# Altium PCB P22296-1-DES-1.2.PcbDoc (part 4 of 5) (continued)
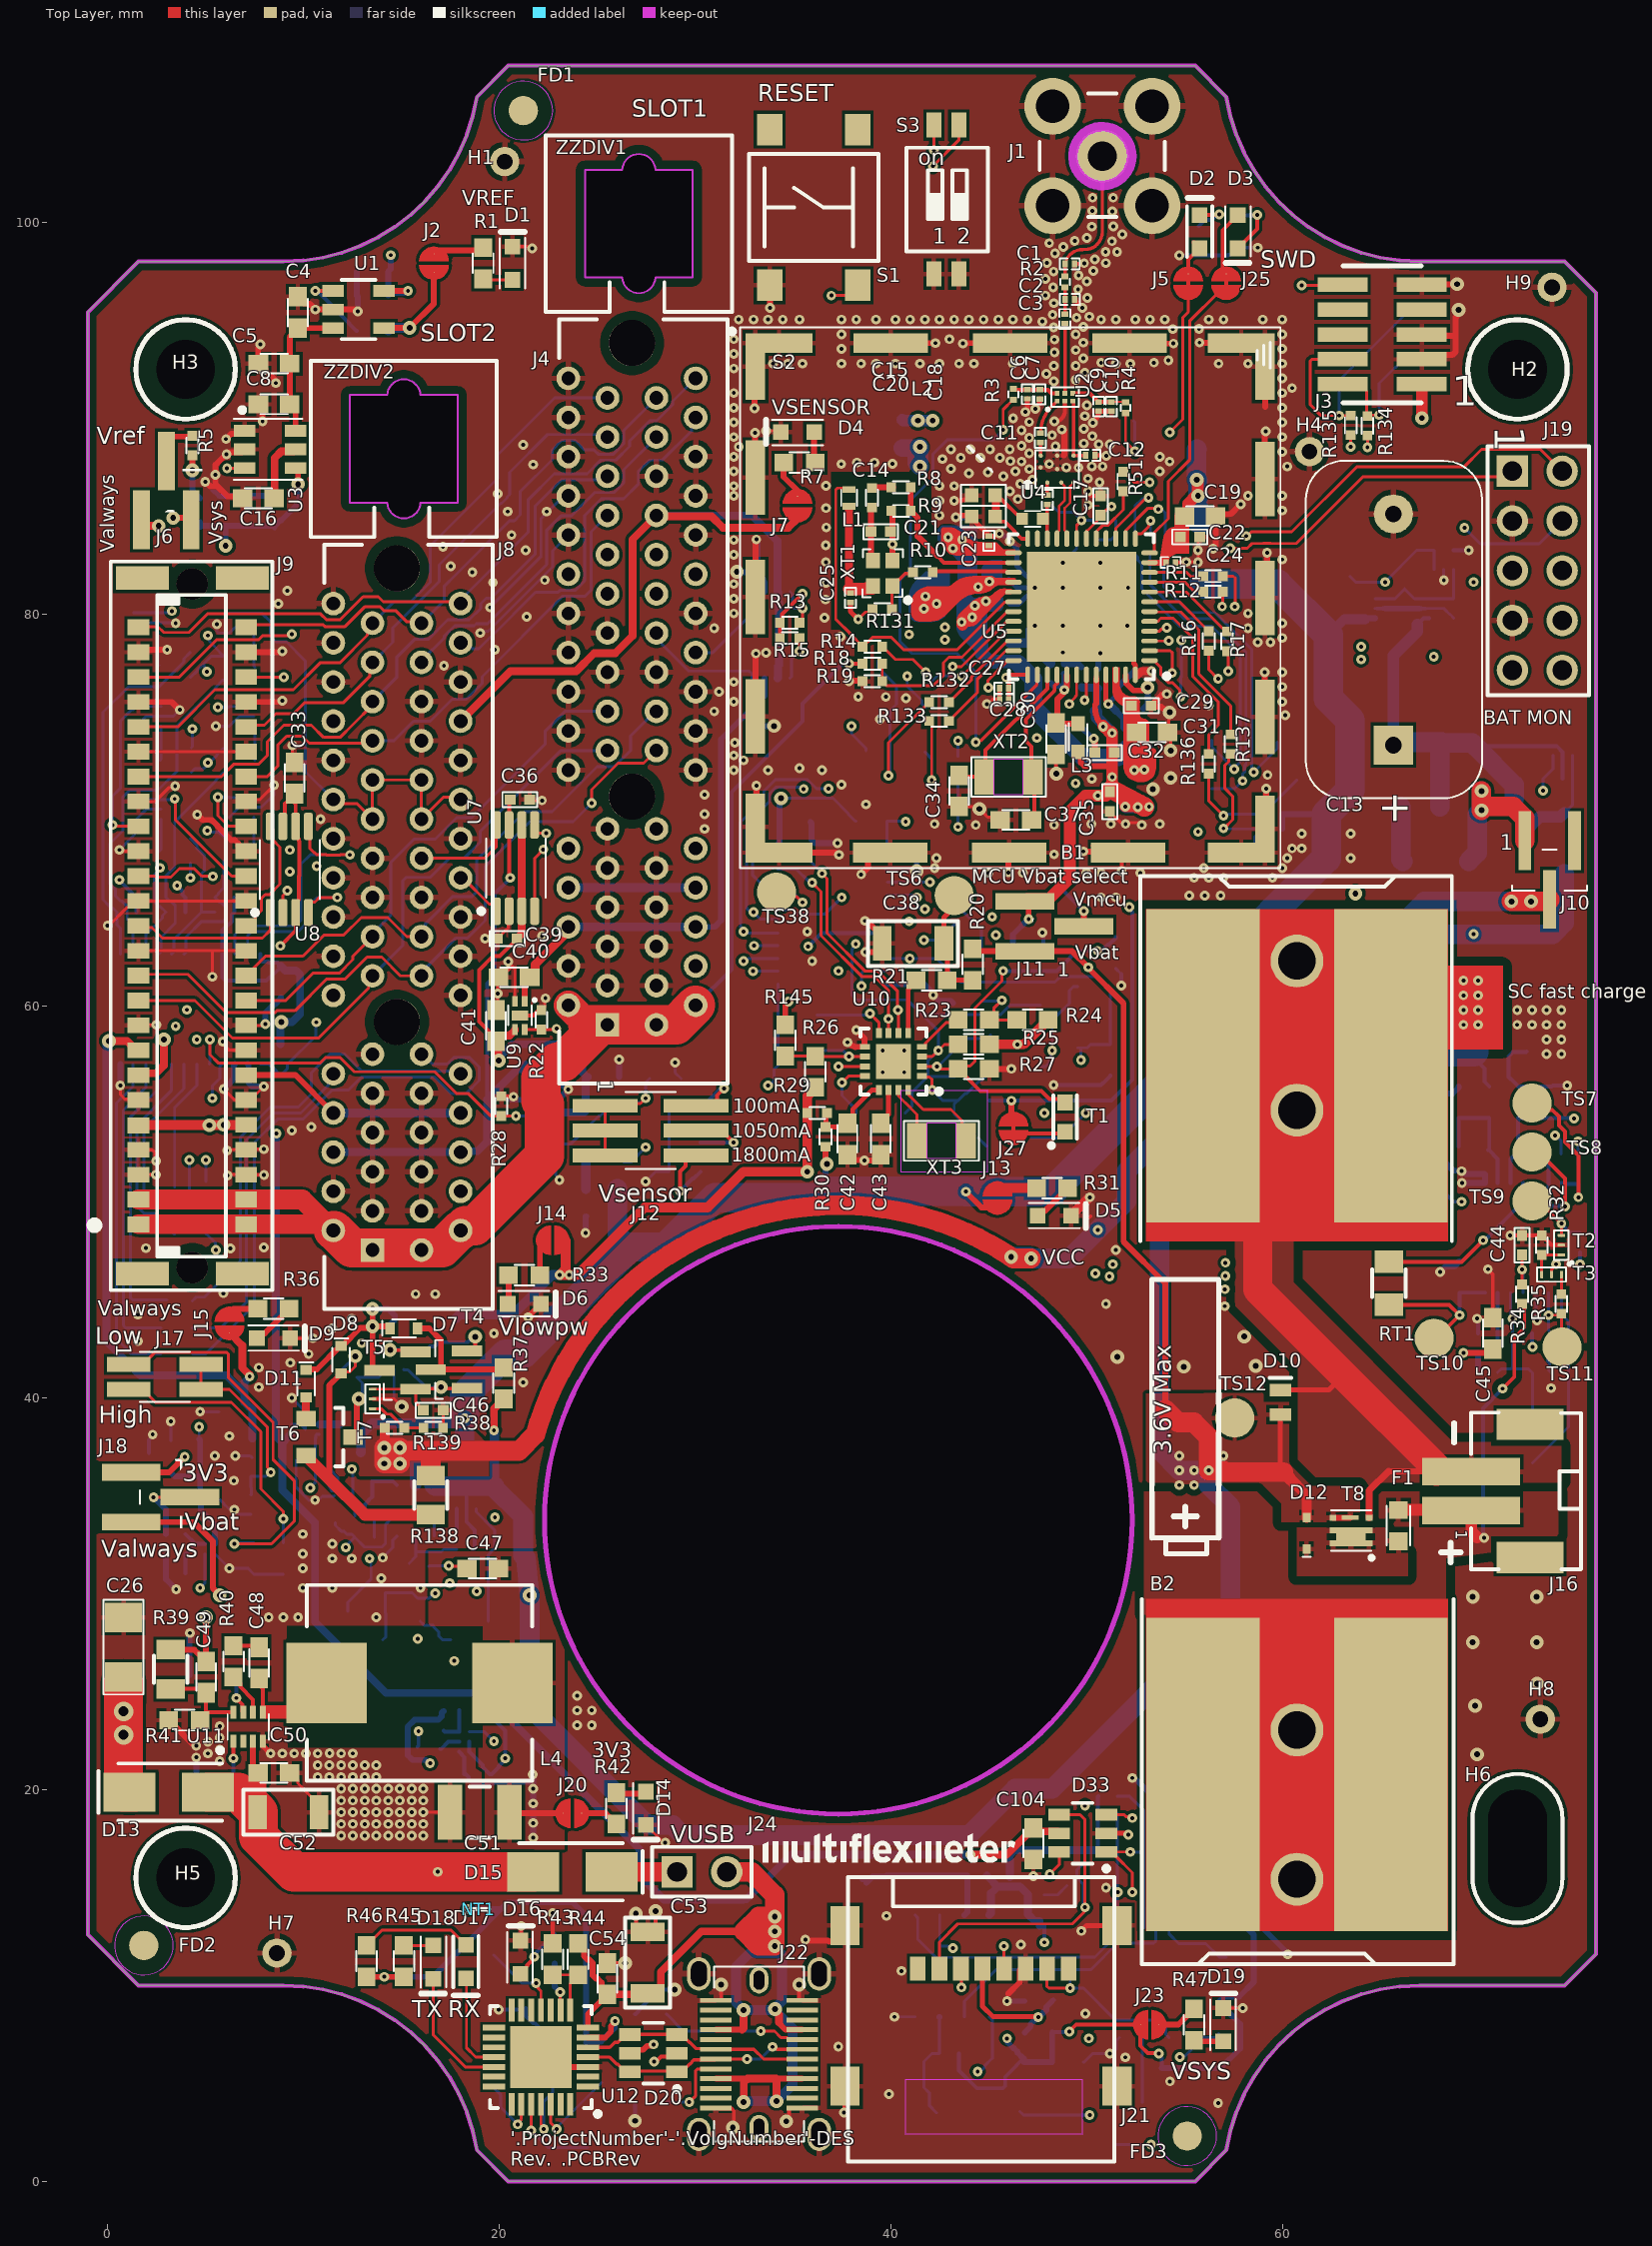
[diagram p0: Top Layer view]
## Nets (pads, with @x,y where several pads share a name; then routed paths per layer and width w, separated by ;. In a path a pad name is that pad's centre, name@x,y a point inside that pad or via, vN(x,y) a via of type N, cw(c..) or ccw(c..) an arc to the next point about the centre after c; other vN are vias at no path point) (continued)
  Bottom Layer w0.2: T18.D@17.838,34.341 17.838,33.274 R140.2@17.85,33.262
NetR141_2: R141.2 T19.D | length 1.1
  Bottom Layer w0.15: R141.2@13.629,32.885 13.638,32.893 T19.D@13.638,33.941
NetR142_1: R142.1 R143.2 U25.C1 | length 1.9
  Bottom Layer w0.2: R142.1@17.167,23.006 17.231,22.942 U25.C1@17.973,22.942 17.973,24.032 R143.2@17.965,24.041
NetR147_1: R147.1 U15.6 | length 6.7
  Bottom Layer w0.15: R147.1@3.438,50.761 3.438,54.812 4.563,55.937 U15.6@4.563,57.041
NetR148_1: R148.1 U15.7 | length 9.7
  Bottom Layer w0.15: R148.1@3.438,49.716 1.985,49.716 1.868,49.833 1.868,53.747 3.787,55.665 3.795,55.665 3.913,55.782 U15.7@3.913,57.041
NetR149_1: R149.1 U15.8 | length 10.5
  Bottom Layer w0.15: U15.8@3.263,57.041 3.263,55.675 1.518,53.931 1.518,49.759 1.861,49.416 2.384,49.416 3.038,48.762 3.038,48.737 3.413,48.362 R149.1@3.438,48.362
NetR150_1: R150.1 U15.9 | length 14.4
  Bottom Layer w0.15: U15.9@2.613,57.041 2.613,55.765 1.168,54.321 1.168,45.108 1.285,44.991 R150.1@3.038,44.991
NetR151_1: R151.1 U15.10 | length 15.8
  Bottom Layer w0.15: U15.10@1.963,57.041 1.963,55.841 0.818,54.697 0.818,43.683 0.935,43.566 R151.1@2.738,43.566
NetR152_1: R152.1 U15.11 | length 17
  Bottom Layer w0.15: U15.11@1.313,57.041 1.313,55.886 0.867,55.44 0.863,55.44 0.468,55.045 0.468,43.01 1.247,42.231 R152.1@2.738,42.231
NetRT1_2: RT1.2 U18.11 | length 9.1
  Top Layer w0.2: RT1.2@65.438,46.941 69.138,46.941 v1(70.238,48.041)
  Bottom Layer w0.2: v1(70.238,48.041) 70.321,48.041 72.288,50.007 U18.11@72.288,50.966
NetTS32_1: TS32.1 U10.12 | length 3.2
  Top Layer w0.15: v1(37.513,56.091) 37.838,56.416 U10.12@38.688,56.416
  Bottom Layer w0.15: v1(37.513,56.091) 37.513,55.424 38.238,54.699 TS32.1@38.238,54.541
NetTS36_1: TS36.1 U18.1 | length 9.6
  Bottom Layer w0.15: TS36.1@72.763,36.676 74.603,38.517 74.603,43.9 74.238,44.266 U18.1@74.238,45.366
NetTS41_1: TS41.1 U12.11 | length 4.2
  Top Layer w0.15: v1(21.888,10.113) 21.954,10.046 21.954,9.899 22.138,9.716 U12.11@22.138,8.741
  Bottom Layer w0.15: TS41.1@19.738,11.541 21.166,10.113 v1(21.888,10.113)
NetU10_15: U10.15 XT3.2 | length 3
  Top Layer w0.15: U10.15@40.388,55.716 40.388,55.4 40.722,55.066 40.732,55.066 41.338,54.461 XT3.2@41.338,53.116
NetU10_16: U10.16 XT3.1 | length 4.6
  Top Layer w0.15: U10.16@40.888,55.716 40.888,55.487 41.659,54.716 43.067,54.716 43.63,54.153 43.63,53.324 XT3.1@43.838,53.116
OSC_IN_4: R8.2 R9.2 U5.26 | length 8.2
  Top Layer w0.2: 42.381,82.974 42.723,82.632 U5.26@46.338,82.632
  Top Layer w0.3: R8.2@41.02,86.474 R9.2@41.02,85.274 41.37,84.924 41.37,83.985 42.381,82.974
OSC_OUT_4: R10.2 U5.27 | length 3.9
  Top Layer w0.2: R10.2@42.138,82.141 42.184,82.188 43.707,82.188 43.713,82.194 45.889,82.194 45.941,82.143 46.007,82.143 U5.27@46.013,82.148
pack+_8: B2.1 F1.2 J16.1 R34.1 | length 33.4
  Top Layer w0.15: 72.188,43.391 72.363,43.566 72.363,44.666 R34.1@72.238,44.791
  Top Layer w0.2: v1(71.238,40.466) 71.838,41.066 71.838,43.041 72.188,43.391
  Top Layer w0.6: F1.2@65.925,34.275 69.604,34.275 J16.1@69.638,34.241 69.638,33.168 69.938,32.868
  Top Layer w2: B2.1@60.737,15.421 B2.1@60.738,23.041
  Layer 2 w2: B2.1@60.737,15.421 60.737,15.652 B2.1@60.738,23.041
  Bottom Layer w0.2: v1(70.288,32.857) 70.238,32.907 70.238,39.466 v1(71.238,40.466)
pack-_8: B1.1 D10.A J16.2 R82.2 R87.1 T8.G | length 61.3
  Top Layer w0.254: D10.A@59.815,40.319 D10.A@59.888,40.391 62.363,40.391 63.125,41.153
  Top Layer w0.3: 65.413,36.241 J16.2@69.638,36.241
  Top Layer w0.35: T8.G@64.434,33.874 64.434,35.262 65.413,36.241
  Top Layer w1.5: B1.1@60.737,62.301 B1.1@60.737,54.681 58.738,52.681 58.738,45.541 63.125,41.153 67.863,36.416 J16.2@67.863,36.266
  Layer 2 w1.5: B1.1@60.737,54.681 B1.1@60.737,62.301
  Bottom Layer w0.2: R82.2@69.763,57.666 69.763,57.366 70.313,56.816 70.313,56.131 R87.1@70.563,55.881
  Bottom Layer w1.5: B1.1@60.737,54.681 63.722,57.666 R82.2@69.763,57.666
  other v1: 69.238,59.041 69.988,59.041 69.238,59.791 69.988,59.791 69.238,60.541 69.988,60.541 69.238,61.291 69.988,61.291
PSW_10: R23.1 U10.4 | length 2.5
  Top Layer w0.15: U10.4@41.588,57.916 41.698,57.916 41.773,57.991 41.773,58.101 42.825,59.154 43.3,59.154 R23.1@43.438,59.291
REG25: C86.2 R97.2 RT1.1 T3.S TS10.1 U18.7 | length 20
  Top Layer w0.15: T3.S@73.738,46.291 73.738,46.541 73.988,46.791 73.969,46.809 v1(73.969,46.82)
  Top Layer w0.2: RT1.1@65.438,44.741 68.513,44.741 v1(69.038,44.216) 67.863,43.041 TS10.1@67.738,43.041
  Layer 2 w0.2: v1(69.038,44.216) 71.913,47.091 73.699,47.091 v1(73.969,46.82)
  Layer 3 w0.2: v1(69.038,44.216) 70.663,42.591 v1(72.763,42.591)
  Bottom Layer w0.2: v1(69.038,44.216) C86.2@69.038,45.366 U18.7@70.338,45.366 ; R97.2@72.738,43.291 72.738,42.616 v1(72.763,42.591)
RFI_5_N: U4.A2 U5.21 | length 3.1
  Top Layer w0.125: U5.21@48.489,83.858 48.489,84.181 48.601,84.294 48.601,85.53 48.881,85.81 48.881,86.539 U4.A2@48.704,86.717
RFI_5_P: U4.A3 U5.20 | length 3.1
  Top Layer w0.125: U5.20@48.989,83.858 48.989,84.181 48.876,84.294 48.876,85.416 49.156,85.696 49.156,86.539 U4.A3@49.334,86.717
RSVD.0_11: J4.A13 J8.A13 J9.A10 | length 33.3
  Top Layer w0.15: J9.A10@1.588,60.281 4.469,60.281 6.384,58.366 10.788,58.366 13.335,60.914 13.335,61.339 J8.A13@13.538,61.541
  Bottom Layer w0.15: J8.A13@13.538,61.541 15.076,63.079 15.076,66.379 15.263,66.566 16.488,66.566 17.463,67.541 18.21,67.541 19.038,68.369 19.038,68.916 23.163,73.041 J4.A13@25.538,73.041
RSVD.1_11: J4.A15 J8.A15 J9.B10 | length 26.7
  Top Layer w0.15: J9.B10@7.088,60.281 9.103,60.281 10.492,61.67 11.839,61.67 12.536,62.368 12.536,62.54 J8.A15@13.538,63.541
  Bottom Layer w0.15: J8.A15@13.538,63.541 13.538,63.695 14.463,64.62 14.463,67.316 15.663,68.516 16.738,68.516 17.838,69.616 18.588,69.616 22.363,73.391 22.363,74.038 23.365,75.041 J4.A15@25.538,75.041
RSVD.2_11: J4.B13 J8.B13 J9.A11 | length 35.7
  Top Layer w0.15: J9.A11@1.588,61.551 1.653,61.616 4.113,61.616 6.073,59.656 8.549,59.656 8.649,59.756 9.58,59.756 11.194,61.37 12.142,61.37 13.263,62.491 14.013,62.491 14.963,61.541 J8.B13@16.038,61.541 ; v1(24.733,70.362) 24.733,71.041 26.083,72.391 27.388,72.391 J4.B13@28.038,73.041
  Bottom Layer w0.15: J8.B13@16.038,61.541 16.038,61.713 17.78,63.456 18.378,63.456 19.288,64.366 19.288,67.13 21.574,69.416 23.788,69.416 v1(24.733,70.362)
RSVD.3_11: J4.B15 J8.B15 J9.B11 | length 29
  Top Layer w0.15: J9.B11@7.088,61.551 8.079,62.543 9.989,62.543 11.063,63.616 12.063,63.616 12.963,64.516 14.313,64.516 15.288,63.541 J8.B15@16.038,63.541
  Bottom Layer w0.15: J8.B15@16.038,63.541 16.24,63.743 16.24,64.193 17.638,65.591 18.619,65.591 18.867,65.838 18.867,67.47 21.313,69.916 22.714,69.916 25.01,72.212 25.881,72.212 26.713,73.044 26.713,73.791 27.963,75.041 J4.B15@28.038,75.041
RTC_CLOCKOUT_10: TS29.1 U10.8 | length 3.9
  Top Layer w0.15: v1(38.938,59.614) 39.388,59.164 U10.8@39.388,58.616
  Bottom Layer w0.15: TS29.1@36.238,59.541 38.77,59.541 38.843,59.614 v1(38.938,59.614)
RTC_EXT_I\R\Q\: D21.A2 D22.A2 D23.A2 D24.A2 D25.A2 D26.A2 D28.A D30.A R26.1 R145.1 T22.D TS23.1 U10.10 | length 96.4
  Top Layer w0.15: R145.1@34.613,57.442 36.136,57.442 R26.1@36.138,57.441 36.163,57.416 v1(37.87,57.416) U10.10@38.688,57.416
  Layer 2 w0.15: v1(4.238,66.541) 4.238,68.091 v1(5.099,68.953) 5.137,68.99 v1(5.137,72.421) 5.082,72.476 5.082,74.074 5.062,74.094 5.062,74.488 5.082,74.508 v1(5.082,77.068) ; v1(37.87,57.416) 38.713,58.258 38.713,58.963 37.988,59.688 37.988,61.813 37.738,62.063 37.738,64.686 37.988,64.936 v1(37.988,74.291)
  Layer 3 w0.15: v1(5.138,78.916) 6.413,77.641 12.465,77.641 13.194,78.37 16.909,78.37 17.567,77.712 22.694,77.712 23.194,77.212 23.881,77.212 24.539,77.87 28.381,77.87 29.21,77.041 32.238,77.041 34.988,74.291 v1(37.988,74.291) ; v1(37.87,57.416) 39.068,58.614 47.35,58.614 v1(48.238,57.727)
  Bottom Layer w0.15: v1(4.238,66.541) D25.A2@4.238,67.291 ; D21.A2@4.238,76.791 4.27,76.791 4.585,77.106 4.585,77.139 4.943,77.496 ; D23.A2@4.288,71.941 4.463,72.117 4.913,72.117 v1@5.137,72.34 ; v1(5.082,77.068) 5.082,77.163 4.943,77.302 4.943,77.496 ; v1(5.137,72.421) v1@5.137,72.34 ; v1(5.138,78.916) 5.205,78.849 5.205,78.624 5.537,78.292 5.537,78.259 D22.A2@5.905,77.891 ; v1@5.28,68.866 5.712,68.866 D26.A2@5.938,68.641 ; D24.A2@5.938,73.141 5.905,73.141 5.59,72.826 5.59,72.793 v1@5.137,72.34 ; D22.A2@5.938,77.891 5.9,77.854 5.3,77.854 4.943,77.496 ; D30.A@35.938,57.716 37.57,57.716 v1(37.87,57.416) ; v1(37.988,74.291) 37.988,73.899 38.738,73.149 TS23.1@38.738,73.041 ; T22.D@47.688,56.916 47.9,56.916 48.1,57.116 48.1,57.328 48.182,57.41 48.182,57.671 v1(48.238,57.727) 48.238,59.265 49.128,60.155 49.128,60.791 49.328,60.991 D28.A@49.54,60.991
SC_EN: R153.2 T21.G TS19.1 U14.19 | length 53.5
  Layer 2 w0.15: v2(63.722,65.741) 63.722,65.864 63.963,66.104 63.963,75.841 65.238,77.116 v1(65.238,81.641)
  Layer 3 w0.15: v1(37.497,65.541) 37.972,66.016 41.633,66.016 41.801,65.849 50.374,65.849 50.541,66.016 53.163,66.016 54.013,65.166 63.214,65.166 63.722,65.674 v2(63.722,65.741)
  Bottom Layer w0.15: U14.19@34.238,65.024 34.363,64.899 34.993,64.899 35.193,64.699 36.655,64.699 v1(37.497,65.541) ; TS19.1@63.445,81.934 63.738,81.641 v1(65.238,81.641) 66.855,83.258 R153.2@67.738,83.258 T21.G@67.738,82.283
SCL_12: J4.B19 U13.8 | length 6.1
  Bottom Layer w0.15: J4.B19@28.038,79.041 28.038,78.755 28.324,78.469 28.324,78.455 29.675,77.103 32.765,77.103 32.913,76.956 U13.8@32.913,76.741
SCL_13: J8.B19 U7.8 | length 5.2
  Top Layer w0.15: J8.B19@16.038,67.541 19.263,67.541 19.863,68.141 U7.8@19.863,69.241
SDA_12: J4.B18 U13.1 | length 4.8
  Bottom Layer w0.15: J4.B18@30.038,78.041 30.913,78.041 32.913,80.041 U13.1@32.913,81.141
SDA_13: J8.B18 U7.1 | length 2.7
  Top Layer w0.15: J8.B18@18.038,66.541 18.163,66.541 19.5,65.203 19.715,65.203 19.863,65.056 U7.1@19.863,64.841
SENSOR_INTx: R83.1 U14.11 U15.1 | length 36.8
  Layer 3 w0.15: v1(10.663,59.165) 12.334,59.165 14.06,60.891 15.515,60.891 15.694,60.712 17.036,60.712 17.694,61.37 19.88,61.37 20.38,60.87 24.536,60.87 25.194,60.212 29.036,60.212 29.694,60.87 30.867,60.87 31.295,61.299 38.243,61.299 38.505,61.036 v1(38.505,61.017)
  Bottom Layer w0.15: U15.1@7.813,57.041 8.238,57.041 8.438,56.841 8.463,56.841 8.838,56.466 R83.1@8.838,56.441 9.197,56.8 9.197,57.025 10.638,58.466 10.638,59.14 v1(10.663,59.165) ; v1(38.505,61.017) 38.511,61.023 38.511,61.686 38.599,61.774 U14.11@39.838,61.774
SHARED_GPIO.GPIO1_11: J4.A25 J8.A25 J9.B19 | length 26.8
  Top Layer w0.15: J9.B19@7.088,71.711 8.158,71.711 8.713,72.266 8.713,73.336 9.153,73.777 9.952,73.777 10.317,73.412 13.409,73.412 J8.A25@13.538,73.541
  Bottom Layer w0.15: J8.A25@13.538,73.541 14.638,73.541 15.638,74.541 16.488,74.541 17.613,75.666 18.335,75.666 19.138,76.469 19.138,76.813 23.236,80.912 24.384,80.912 24.709,81.237 24.709,84.212 J4.A25@25.538,85.041
SHARED_GPIO.GPIO2_11: J4.A27 J8.A27 J9.A19 | length 33.5
  Top Layer w0.15: J9.A19@1.588,71.711 5.819,71.711 6.444,72.336 7.711,72.336 8.163,72.788 8.163,73.49 9.014,74.341 10.413,74.341 11.042,73.712 11.881,73.712 12.531,74.362 13.538,75.369 J8.A27@13.538,75.541
  Bottom Layer w0.15: J8.A27@13.538,75.541 14.788,76.791 14.788,77.816 15.684,78.712 16.381,78.712 17.381,79.712 18.48,79.712 19.063,80.294 19.063,80.538 19.341,80.816 19.584,80.816 21.838,83.069 21.838,83.463 21.836,83.464 21.836,85.512 23.194,86.87 25.367,86.87 J4.A27@25.538,87.041
SHARED_GPIO.GPIO3_11: J4.A29 J8.A29 J9.B21 | length 26.6
  Top Layer w0.15: J9.B21@7.088,74.251 7.178,74.341 8.021,74.341 8.596,74.916 9.513,74.916 10.088,75.491 12.063,75.491 13.389,76.817 13.389,77.392 J8.A29@13.538,77.541
  Bottom Layer w0.15: J8.A29@13.538,77.541 14.573,78.576 14.573,79.298 16.945,81.67 16.945,82.52 20.091,85.666 20.134,85.666 20.413,85.944 20.413,85.988 20.538,86.113 20.538,87.241 22.467,89.17 25.409,89.17 J4.A29@25.538,89.041
SHARED_GPIO.GPIO4_11: J4.A31 J8.A31 J9.A21 | length 32.9
  Top Layer w0.15: J9.A21@1.588,74.251 3.598,74.251 5.493,76.146 9.493,76.146 10.863,77.516 11.863,77.516 13.276,78.93 13.276,78.994 13.538,79.255 J8.A31@13.538,79.541
  Bottom Layer w0.15: J8.A31@13.538,79.541 14.638,80.641 15.163,80.641 15.492,80.641 16.488,81.637 16.488,81.965 16.488,83.491 19.938,86.941 19.938,88.141 22.838,91.041 J4.A31@25.538,91.041
SHARED_GPIO.GPIO5_11: J4.B29 J8.B29 J9.B23 | length 28.7
  Top Layer w0.15: J9.B23@7.088,76.791 v1(9.013,76.791)
  Layer 3 w0.15: v1(9.013,76.791) 9.013,76.691 10.238,75.466 12.038,75.466 13.113,76.541 15.038,76.541 J8.B29@16.038,77.541
  Bottom Layer w0.15: J8.B29@16.038,77.541 16.038,77.635 17.209,78.806 17.209,78.884 17.736,79.412 18.737,79.412 18.841,79.516 19.413,79.516 22.438,82.541 22.438,83.365 22.442,83.37 22.442,84.296 23.163,85.016 23.685,85.016 24.881,86.212 25.881,86.212 26.367,86.698 26.367,87.37 J4.B29@28.038,89.041
SHARED_GPIO.GPIO6_11: J4.B30 J8.B30 J9.A23 | length 37.5
  Top Layer w0.15: J9.A23@1.588,76.791 3.684,76.791 5.599,78.706 7.731,78.706 7.916,78.891 9.15,78.891 9.168,78.909 9.346,78.909 v1(9.413,78.976)
  Layer 3 w0.15: v1(9.413,78.976) 9.428,78.991 10.815,78.991 11.194,79.37 11.881,79.37 12.539,78.712 17.867,78.712 J8.B30@18.038,78.541
  Bottom Layer w0.15: J8.B30@18.038,78.541 18.324,78.541 18.624,78.241 18.963,78.241 19.548,78.827 19.572,78.827 21.861,81.116 23.016,81.116 23.112,81.212 23.881,81.212 24.367,81.698 24.367,85.042 25.218,85.893 26.365,85.893 27.113,86.641 27.113,87.288 27.694,87.87 28.342,87.87 29.839,89.367 29.839,89.842 J4.B30@30.038,90.041
SHARED_GPIO.GPIO7_11: J4.B31 J8.B31 J9.B25 | length 29
  Top Layer w0.15: J9.B25@7.088,79.331 7.223,79.466 11.016,79.466 11.112,79.37 12.134,79.37 13.134,80.37 13.93,80.37 14.134,80.166 14.738,80.166 15.296,79.607 15.821,79.607 15.963,79.466 J8.B31@16.038,79.541
  Bottom Layer w0.15: J8.B31@16.038,79.541 17.209,80.712 17.209,81.443 17.732,81.966 17.734,81.966 18.013,82.244 18.013,82.247 20.532,84.766 20.781,84.766 21.086,85.071 21.086,86.264 22.709,87.887 22.709,88.384 23.194,88.87 23.881,88.87 24.367,88.384 24.856,88.384 25.07,88.17 25.839,88.17 26.367,88.698 26.367,89.37 J4.B31@28.038,91.041
SHARED_GPIO.GPIO8_11: J4.B32 J8.B32 J9.A25 | length 35.8
  Top Layer w0.15: J9.A25@1.588,79.331 1.623,79.366 2.588,79.366 2.888,79.066 4.163,79.066 5.113,80.016 10.89,80.016 11.194,79.712 11.881,79.712 13.06,80.891 13.833,80.891 14.083,80.641 17.938,80.641 J8.B32@18.038,80.541
  Bottom Layer w0.15: J8.B32@18.038,80.541 18.038,80.741 21.48,84.184 21.48,85.834 22.817,87.17 24.494,87.17 25.194,87.87 25.963,87.87 26.667,88.573 26.667,88.842 27.694,89.87 28.039,89.87 28.867,90.698 28.867,90.87 J4.B32@30.038,92.041
SLOT1_GPIO0_11: J4.B10 R147.2 | length 37.9
  Layer 2 w0.15: v1(4.563,58.291) 4.563,58.196 4.463,58.097 4.463,52.666 4.984,52.145 v1(5.038,52.145)
  Layer 3 w0.15: v1(4.563,58.291) 6.028,59.756 9.126,59.756 9.17,59.712 11.881,59.712 12.538,60.369 12.538,61.713 13.194,62.37 16.681,62.37 18.023,63.712 18.609,63.712 21.767,66.87 24.194,66.87 25.194,67.87 25.963,67.87 26.134,68.041 J4.B10@30.038,68.041
  Bottom Layer w0.15: R147.2@5.038,51.041 v1(5.038,52.145)
SLOT1_GPIO1_11: J4.A10 R148.2 | length 33.3
  Layer 2 w0.15: v1(4.06,59.806) 4.06,52.372 4.193,52.24 v1(4.193,52.145)
  Layer 3 w0.15: v1(4.06,59.806) 4.101,59.847 4.391,59.847 6.342,61.798 9.413,61.798 10.984,63.37 11.875,63.37 13.135,64.629 16.529,64.629 17.57,65.67 18.467,65.67 20.309,67.512 23.009,67.512 J4.A10@23.538,68.041
  Bottom Layer w0.15: v1(4.193,52.145) 4.193,50.487 4.588,50.091 4.638,50.091 4.744,49.984 R148.2@4.744,49.723
SLOT1_GPIO2_11: J4.B11 R149.2 | length 42.9
  Layer 2 w0.15: v1(3.488,58.966) 3.488,49.591 v1(5.538,47.541)
  Layer 3 w0.15: v1(3.488,58.966) 4.363,58.966 5.813,60.416 10.24,60.416 11.194,61.37 11.575,61.37 12.917,62.712 16.458,62.712 16.99,63.244 16.99,64.666 17.694,65.37 18.72,65.37 20.52,67.17 23.839,67.17 24.839,68.17 25.839,68.17 26.66,68.991 27.988,68.991 J4.B11@28.038,69.041
  Bottom Layer w0.15: R149.2@5.038,48.362 5.063,48.362 5.524,47.901 5.524,47.555 v1(5.538,47.541)
SLOT2_GPIO0_11: J8.B10 R150.2 | length 23.7
  Bottom Layer w0.15: R150.2@4.338,44.941 4.531,45.134 4.95,45.134 6.788,46.972 6.788,53.305 8.324,54.841 9.754,54.841 10.413,55.5 10.413,56.588 11.365,57.541 12.123,57.541 12.994,56.67 17.909,56.67 J8.B10@18.038,56.541
SLOT2_GPIO1_11: J8.A10 R151.2 | length 17.6
  Bottom Layer w0.15: R151.2@4.338,43.566 5.788,43.566 7.096,44.875 7.096,53.165 8.472,54.541 9.878,54.541 11.271,55.935 11.271,55.989 11.538,56.255 J8.A10@11.538,56.541
SLOT2_GPIO2_11: J8.B11 R152.2 | length 30.2
  Bottom Layer w0.15: R152.2@4.338,42.231 5.006,42.231 7.513,44.738 7.513,53.038 8.716,54.241 10.002,54.241 11.473,55.712 12.316,55.712 12.974,56.37 16.709,56.37 17.538,55.541 18.338,55.541 18.988,56.191 18.988,56.877 18.495,57.37 17.694,57.37 17.365,57.041 16.586,57.041 16.086,57.541 J8.B11@16.038,57.541
SPI_sys.MISO: D33.3 J21.7 R54.1 R118.1 TS22.1 U23.2 U24.2 | length 114.2
  Top Layer w0.15: J21.7@47.981,10.859 47.981,9.947 48.068,9.859 v1(49.154,9.859) ; D33.3@51.004,18.716 51.911,18.716 52.022,18.605 52.281,18.605 v1(52.337,18.549)
  Layer 2 w0.15: v1(52.337,18.549) 52.432,18.549 52.551,18.43 52.59,18.43 52.637,18.383 53.133,18.383 56.788,22.038 56.788,33.167 58.538,34.917 58.538,40.031 56.092,42.476 56.092,49.896 57.238,51.041 57.238,63.617 58.288,64.667 58.288,71.144 58.438,71.294 58.438,71.678 58.471,71.711 58.471,71.874 v1(58.538,71.941)
  Layer 3 w0.15: v1(49.154,9.859) 50.128,9.859 52.852,12.583 52.852,18.183 52.598,18.437 52.543,18.437 52.432,18.549 v1(52.337,18.549)
  Bottom Layer w0.15: U23.2@43.768,8.398 43.768,9.198 44.553,9.983 45.37,10.8 49.154,10.8 ; R54.1@53.938,83.091 53.938,81.405 55.256,80.086 56.541,80.086 58.438,78.19 58.438,72.204 58.471,72.171 58.471,72.008 v1(58.538,71.941) 59.738,73.141 TS22.1@59.738,73.466 ; U24.2@54.208,7.332 54.043,7.497 54.043,7.882 53.703,8.222 51.48,8.222 49.842,9.859 v1(49.154,9.859) 49.154,10.8 ; R118.1@55.838,16.032 55.788,15.982 53.748,15.982 53.523,15.757 53.523,12.252 53.435,12.164 51.572,12.164 50.208,10.8 49.154,10.8
SPI_sys.MOSI: D33.6 J21.3 R56.1 R117.1 TS20.1 U23.5 U24.5 | length 113.9
  Top Layer w0.15: J21.3@43.581,10.859 43.607,10.832 v1(43.607,9.898) ; v1(48.113,15.683) 48.604,16.174 D33.6@48.604,16.816
  Layer 2 w0.15: v1(48.113,15.683) 49.435,17.005 49.435,18.61 49.918,19.093 v1(49.918,19.162) 50.238,19.482 52.629,19.482 56.188,23.04 56.188,33.415 57.938,35.165 57.938,39.782 55.492,42.227 55.492,50.144 56.638,51.29 56.638,63.865 57.688,64.915 57.688,71.094 57.488,71.294 57.488,71.688 57.528,71.729 57.528,72.082 v1(57.538,72.091)
  Layer 3 w0.15: v1(43.607,9.898) 43.607,11.177 v1(48.113,15.683) ; v1(49.918,19.162) 51.592,17.488 v1(51.592,14.759)
  Bottom Layer w0.15: U23.5@41.228,13.598 41.375,13.45 41.375,12.36 42.301,11.434 45.58,11.434 45.587,11.441 50.422,11.441 51.468,12.487 51.523,12.487 51.668,12.632 U24.5@51.668,12.962 51.573,13.057 v1@51.573,14.759 ; R117.1@51.573,18.794 51.573,14.778 v1(51.592,14.759) ; R56.1@52.477,83.051 R56.1@52.488,83.041 52.613,82.916 52.613,82.766 52.813,82.566 52.813,81.305 54.726,79.391 56.388,79.391 57.838,77.941 57.838,72.454 57.538,72.154 v1(57.538,72.091) 56.388,73.241 TS20.1@56.388,73.571
SPI_sys.SCK: D33.1 J21.5 R55.1 R116.1 TS25.1 U23.6 U24.6 | length 110.7
  Top Layer w0.15: J21.5@45.781,10.859 v1(45.781,12.002) ; D33.1@51.004,16.816 51.28,16.816 51.28,16.79 51.479,16.591 51.505,16.591 52.337,15.759 v1(52.337,14.758) ; D33.1@51.214,16.816 v1(52.234,16.816)
  Layer 2 w0.15: v1(43.181,11.911) 45.792,14.523 48.67,14.523 50.418,16.271 51.306,16.271 51.851,16.816 ; v1@45.845,12.002 v1(45.781,12.002) 47.29,13.511 51.091,13.511 v1(52.337,14.758) ; v1(52.234,16.816) 51.851,16.816 ; v1(57.963,71.491) 57.988,71.466 57.988,64.791 56.938,63.741 56.938,51.165 55.792,50.02 55.792,42.351 58.238,39.906 58.238,35.041 56.488,33.291 56.488,22.402 53.247,19.162 52.207,19.162 51.573,18.528 51.573,17.094 51.851,16.816
  Bottom Layer w0.15: U23.6@42.498,13.598 42.498,12.09 42.586,12.002 42.918,12.002 42.941,11.978 43.114,11.978 v1(43.181,11.911) ; R116.1@51.573,19.664 51.584,19.653 52.197,19.653 52.913,18.937 52.913,16.811 ; v1@52.239,16.811 52.913,16.811 ; U24.6@52.938,12.962 52.938,13.982 52.913,14.007 52.913,16.811 ; R55.1@53.238,83.041 53.238,81.511 54.991,79.758 56.445,79.758 58.138,78.065 58.138,72.33 58.063,72.255 58.063,71.944 57.972,71.853 57.972,71.5 v1(57.963,71.491) 57.564,71.093 TS25.1@56.388,71.093
SWCLK_4: J3.4 J19.4 R135.1 TS14.1 | length 28.2
  Top Layer w0.15: J3.4@63.063,93.012 61.501,93.012 61.413,92.924 61.413,90.697 61.969,90.141 v1(62.888,90.141) R135.1@63.488,90.141
  Layer 2 w0.15: v1(62.888,90.141) 63.94,90.141 69.288,84.794 v1(69.288,84.409)
  Bottom Layer w0.15: v1(62.888,90.141) 62.888,91.941 66.488,95.541 TS14.1@66.738,95.541 ; v1(69.288,84.409) 70.107,83.59 73.11,83.59 J19.4@74.282,84.761
SWDIO_4: J3.2 J19.5 R134.1 TS15.1 | length 17.4
  Top Layer w0.15: J3.2@63.063,91.742 63.968,91.742 64.302,91.408 64.302,90.152 R134.1@64.338,90.116 64.388,90.166 v1(64.938,90.166)
  Layer 2 w0.15: v1(64.938,90.166) 70.351,84.752 70.351,83.612 J19.5@71.742,82.221
  Bottom Layer w0.15: v1(64.938,90.166) 64.938,91.791 65.746,92.6 65.796,92.6 66.143,92.947 TS15.1@66.143,92.997
USART1.RX_4: J19.2 R61.1 | length 43.2
  Top Layer w0.15: v1(58.15,83.991) 58.203,83.991 58.413,84.201 60.466,84.201 63.781,87.517 69.26,87.517 70.163,88.419 73.165,88.419 J19.2@74.282,87.301
  Layer 3 w0.15: v1(40.838,76.842) 41.854,77.858 45.715,77.858 46.49,77.083 51.692,77.083 52.767,78.158 55.483,78.158 55.763,78.437 55.763,80.316 58.15,82.703 v1(58.15,83.991)
  Bottom Layer w0.15: v1(40.838,76.842) 40.838,76.33 41.588,75.58 41.588,75.416 R61.1@41.763,75.241
USART1.TX_4: J19.1 R51.1 | length 23.1
  Top Layer w0.15: R51.1@51.88,87.269 52.415,86.734 v1(53.217,86.734) ; v1(57.335,83.367) 58.198,83.367 58.44,83.609 59.009,83.609 59.016,83.616 59.409,83.616 59.416,83.609 60.694,83.609 64.104,87.019 71.46,87.019 J19.1@71.742,87.301
  Layer 3 w0.15: v1(53.217,86.734) 53.968,86.734 v1(57.335,83.367)
USART2.CTS: R16.1 TS47.1 U12.24 | length 102.6
  Top Layer w0.15: U12.24@21.638,3.941 21.638,2.597 v1(21.642,2.592) ; R16.1@56.238,78.133 56.238,77.175 v1(56.713,76.7)
  Layer 2 w0.15: v1(21.642,2.592) 21.642,5.67 25.535,9.564 26.906,9.564 31.733,14.391 32.925,14.391 34.394,15.86 44.531,15.86 53.538,24.867 53.538,66.69 55.063,68.215 55.063,69.586 56.402,70.925 56.402,74.328 57.101,75.028 57.101,76.35 56.751,76.7 v1(56.713,76.7)
  Bottom Layer w0.15: v1(21.642,2.592) 22.517,1.717 TS47.1@24.513,1.717
USART2.RTS: R17.1 TS44.1 U12.23 | length 102.3
  Top Layer w0.15: v1(20.945,2.908) 20.945,2.978 21.138,3.171 U12.23@21.138,3.941 ; R17.1@57.163,78.117 57.238,78.042 v1(57.238,77.083)
  Layer 2 w0.15: v1(20.945,2.908) 20.938,2.915 20.938,5.486 25.422,9.971 26.889,9.971 31.609,14.691 32.801,14.691 34.27,16.16 44.407,16.16 53.238,24.991 53.238,66.815 54.52,68.097 54.52,69.468 56.102,71.049 56.102,74.533 56.713,75.144 56.713,75.672 56.238,76.147 56.238,77.057 56.423,77.243 56.983,77.243 57.143,77.083 v1(57.238,77.083)
  Bottom Layer w0.15: TS44.1@19.738,4.766 20.092,4.412 20.092,3.761 v1(20.945,2.908)
USART2.RX: R11.1 TS42.1 U12.26 | length 106.8
  Top Layer w0.15: U12.26@22.638,3.941 22.638,2.988 22.938,2.688 v1(22.938,2.666) ; R11.1@56.957,81.944 57.49,81.944 57.578,81.856 57.578,80.405 v1(57.564,80.391)
  Layer 2 w0.15: v1(22.938,2.666) 22.938,5.991 25.838,8.891 27.082,8.891 31.982,13.791 33.288,13.791 34.738,15.241 44.788,15.241 54.057,24.51 54.057,24.537 54.138,24.618 54.138,66.343 56.371,68.577 56.371,69.872 57.029,70.53 57.029,73.688 58.174,74.834 58.174,78.455 57.564,79.065 v1(57.564,80.391)
  Bottom Layer w0.15: v1(22.938,2.666) 22.938,2.741 TS42.1@25.238,5.041
USART2.TX: R12.1 TS43.1 U12.25 | length 104.9
  Top Layer w0.15: U12.25@22.138,3.941 22.138,2.911 22.288,2.761 v1(22.288,2.666) ; v1(56.914,80.391) 56.957,80.434 R12.1@56.957,81.153
  Layer 2 w0.15: v1(22.288,2.666) 22.288,5.819 25.701,9.233 26.999,9.233 31.858,14.091 33.163,14.091 34.613,15.541 ; 34.613,15.541 34.666,15.559 34.719,15.559 44.656,15.559 53.739,24.642 53.739,24.644 53.838,24.742 53.838,66.566 55.688,68.416 v1(55.688,68.891) 55.688,69.787 56.702,70.801 56.702,74.119 57.863,75.28 57.863,78.342 56.914,79.291 v1(56.914,80.391)
  Bottom Layer w0.15: v1(22.288,2.666) 22.288,4.09 22.738,4.54 TS43.1@22.738,5.041
USB_connected: NT1.1 R154.2 T22.G TS1.1 U14.10 | length 88.9
  Layer 2 w0.15: 20.088,13.891 23.325,17.128 23.325,25.61 20.988,27.948 20.988,39.548 22.738,41.298 22.738,43.105 30.173,50.541 39.284,50.541 41.163,52.42 41.163,62.139 40.97,62.331 v1(40.97,62.424) ; v1(49.713,57.241) 49.713,57.153 49.538,56.978 49.538,54.957 v1(49.953,54.541)
  Layer 2 w0.2: NT1.1@19.497,13.891 20.088,13.891
  Bottom Layer w0.15: U14.10@39.838,62.424 v1(40.97,62.424) 42.345,62.424 43.545,61.224 48.38,61.224 48.647,61.491 50.529,61.491 51.2,60.82 R154.2@51.2,58.041 50.213,58.041 50.038,57.866 T22.G@49.73,57.866 ; TS1.1@47.165,53.259 48.671,53.259 v1(49.953,54.541) ; T22.G@49.538,57.866 T22.G@49.73,57.866 ; v1(49.713,57.241) 49.713,57.849 T22.G@49.73,57.866
USB_D_3_N: D20.3 D20.4 J22.A7 J22.B7 U12.5 | length 11.7
  Top Layer w0.167: U12.5@24.538,6.841 25.65,6.841 25.909,7.099 26.071,7.099 26.47,7.498 29.305,7.498 29.704,7.099 29.734,7.099 30.051,6.782 31.031,6.782 J22.A7@31.073,6.741 33.017,6.741 33.517,6.241 J22.B7@35.473,6.241
USB_D_3_P: D20.1 D20.6 J22.A6 J22.B6 U12.4 | length 11.4
  Top Layer w0.167: U12.4@24.538,6.341 25.65,6.341 26.009,5.982 26.071,5.982 D20.6@26.463,5.591 ; D20.6@26.688,5.591 26.72,5.624 29.055,5.624 D20.1@29.088,5.591 ; D20.1@29.313,5.591 29.704,5.982 29.734,5.982 29.951,6.199 31.031,6.199 J22.A6@31.073,6.241 v1(32.663,6.241) ; v1(33.963,6.866) 34.053,6.866 34.178,6.741 J22.B6@35.473,6.741
  Bottom Layer w0.167: v1(32.663,6.241) 33.338,6.241 v1(33.963,6.866)
V_LOW_POWER: J14.2 J27.2 R24.2 R25.2 R26.2 R29.1 R88.2 R95.2 R96.1 | length 65.1
  Top Layer w0.2: R24.2@47.988,59.341 R24.2@48.038,59.291
  Top Layer w0.3: v1(46.163,55.166) 46.163,54.325 J27.2@46.264,54.224
  Top Layer w0.5: v1@23.088,46.264 23.979,46.264 27.436,49.721 30.655,49.721 32.475,51.541 v2(35.738,51.541) R29.1@35.738,54.541 35.738,55.416 36.138,55.816 R26.2@36.138,55.841 ; v1(23.088,46.266) 23.405,46.584 23.405,48.023 23.388,48.041 ; R25.2@45.038,58.041 v1(46.464,58.041) 46.788,58.041 47.813,59.066 47.813,59.091 48.013,59.291 R24.2@48.038,59.291
  Layer 2 w0.3: v1(46.163,55.166) 46.988,55.991 46.988,57.518 v1(46.464,58.041)
  Layer 3 w0.5: v2(35.738,51.541) 35.738,52.646 38.001,54.909 45.851,54.909 46.108,55.166 v1(46.163,55.166)
  Bottom Layer w0.2: R88.2@45.033,55.166 v1(46.163,55.166) 51.269,55.166 52.338,56.235 52.338,64.803 52.181,64.96 v1(52.181,65.041)
  Bottom Layer w0.5: R95.2@17.788,44.041 17.988,44.241 R96.1@20.338,44.241 20.588,44.491 20.942,44.491 22.717,46.266 v1(23.088,46.266) v1(23.588,46.266)
Valways: C88.2 J4.B4 J6.3 J8.B4 J9.A8 J15.2 U19.1 | length 95.2
  Top Layer w0.4: v2(0.088,58.216) 1.003,58.216 1.238,57.982 1.238,57.941 1.438,57.741 J9.A8@1.588,57.741 ; J6.3@1.718,84.916 1.718,84.757 1.968,84.507 v2(2.618,84.507) ; J15.2@6.238,43.316 6.888,42.666 6.888,41.542 7.243,41.187 7.243,41.102 v1(7.262,41.083)
  Layer 2 w0.4: v2(0.088,58.216) 1.713,59.841 1.713,84.141 2.076,84.505 2.615,84.505 v2(2.618,84.507) ; v1(7.262,41.083) 7.243,41.102 7.143,41.102 6.875,41.37 6.875,42.278 12.584,47.987 12.584,48.29 12.881,48.587 13.933,48.587 15.038,49.692 15.038,50.116 15.463,50.541 J8.B4@18.038,50.541 22.938,55.441 22.938,55.995 23.289,56.346 23.843,56.346 25.438,57.941 28.538,57.941 29.084,58.487 29.084,60.436 29.761,61.113 29.761,61.546 30.038,61.822 J4.B4@30.038,62.041
  Bottom Layer w0.4: v2(0.088,58.216) 0.088,58.135 -0.037,58.01 -0.037,42.866 1.693,41.135 4.984,41.135 4.989,41.141 5.486,41.141 5.492,41.135 6.094,41.135 7.001,40.228 ; v1(7.262,41.083) 7.262,41.059 7.001,40.798 7.001,40.228 ; U19.1@7.412,37.915 7.412,39.392 C88.2@7.288,39.516 7.251,39.516 7.001,39.766 7.001,40.228